# Altium PCB BeagleNode_revA.PcbDoc (part 2 of 2)
Units mil, origin at the board's own origin, x right, y up, seen from the top; angles counter-clockwise.
Board outline 5433.07 x 3425.2 mil, 2 copper layers (Top Layer, Bottom Layer), stack 61.756 mil thick; 246 components, 218 nets, 760 pads, 373 vias.
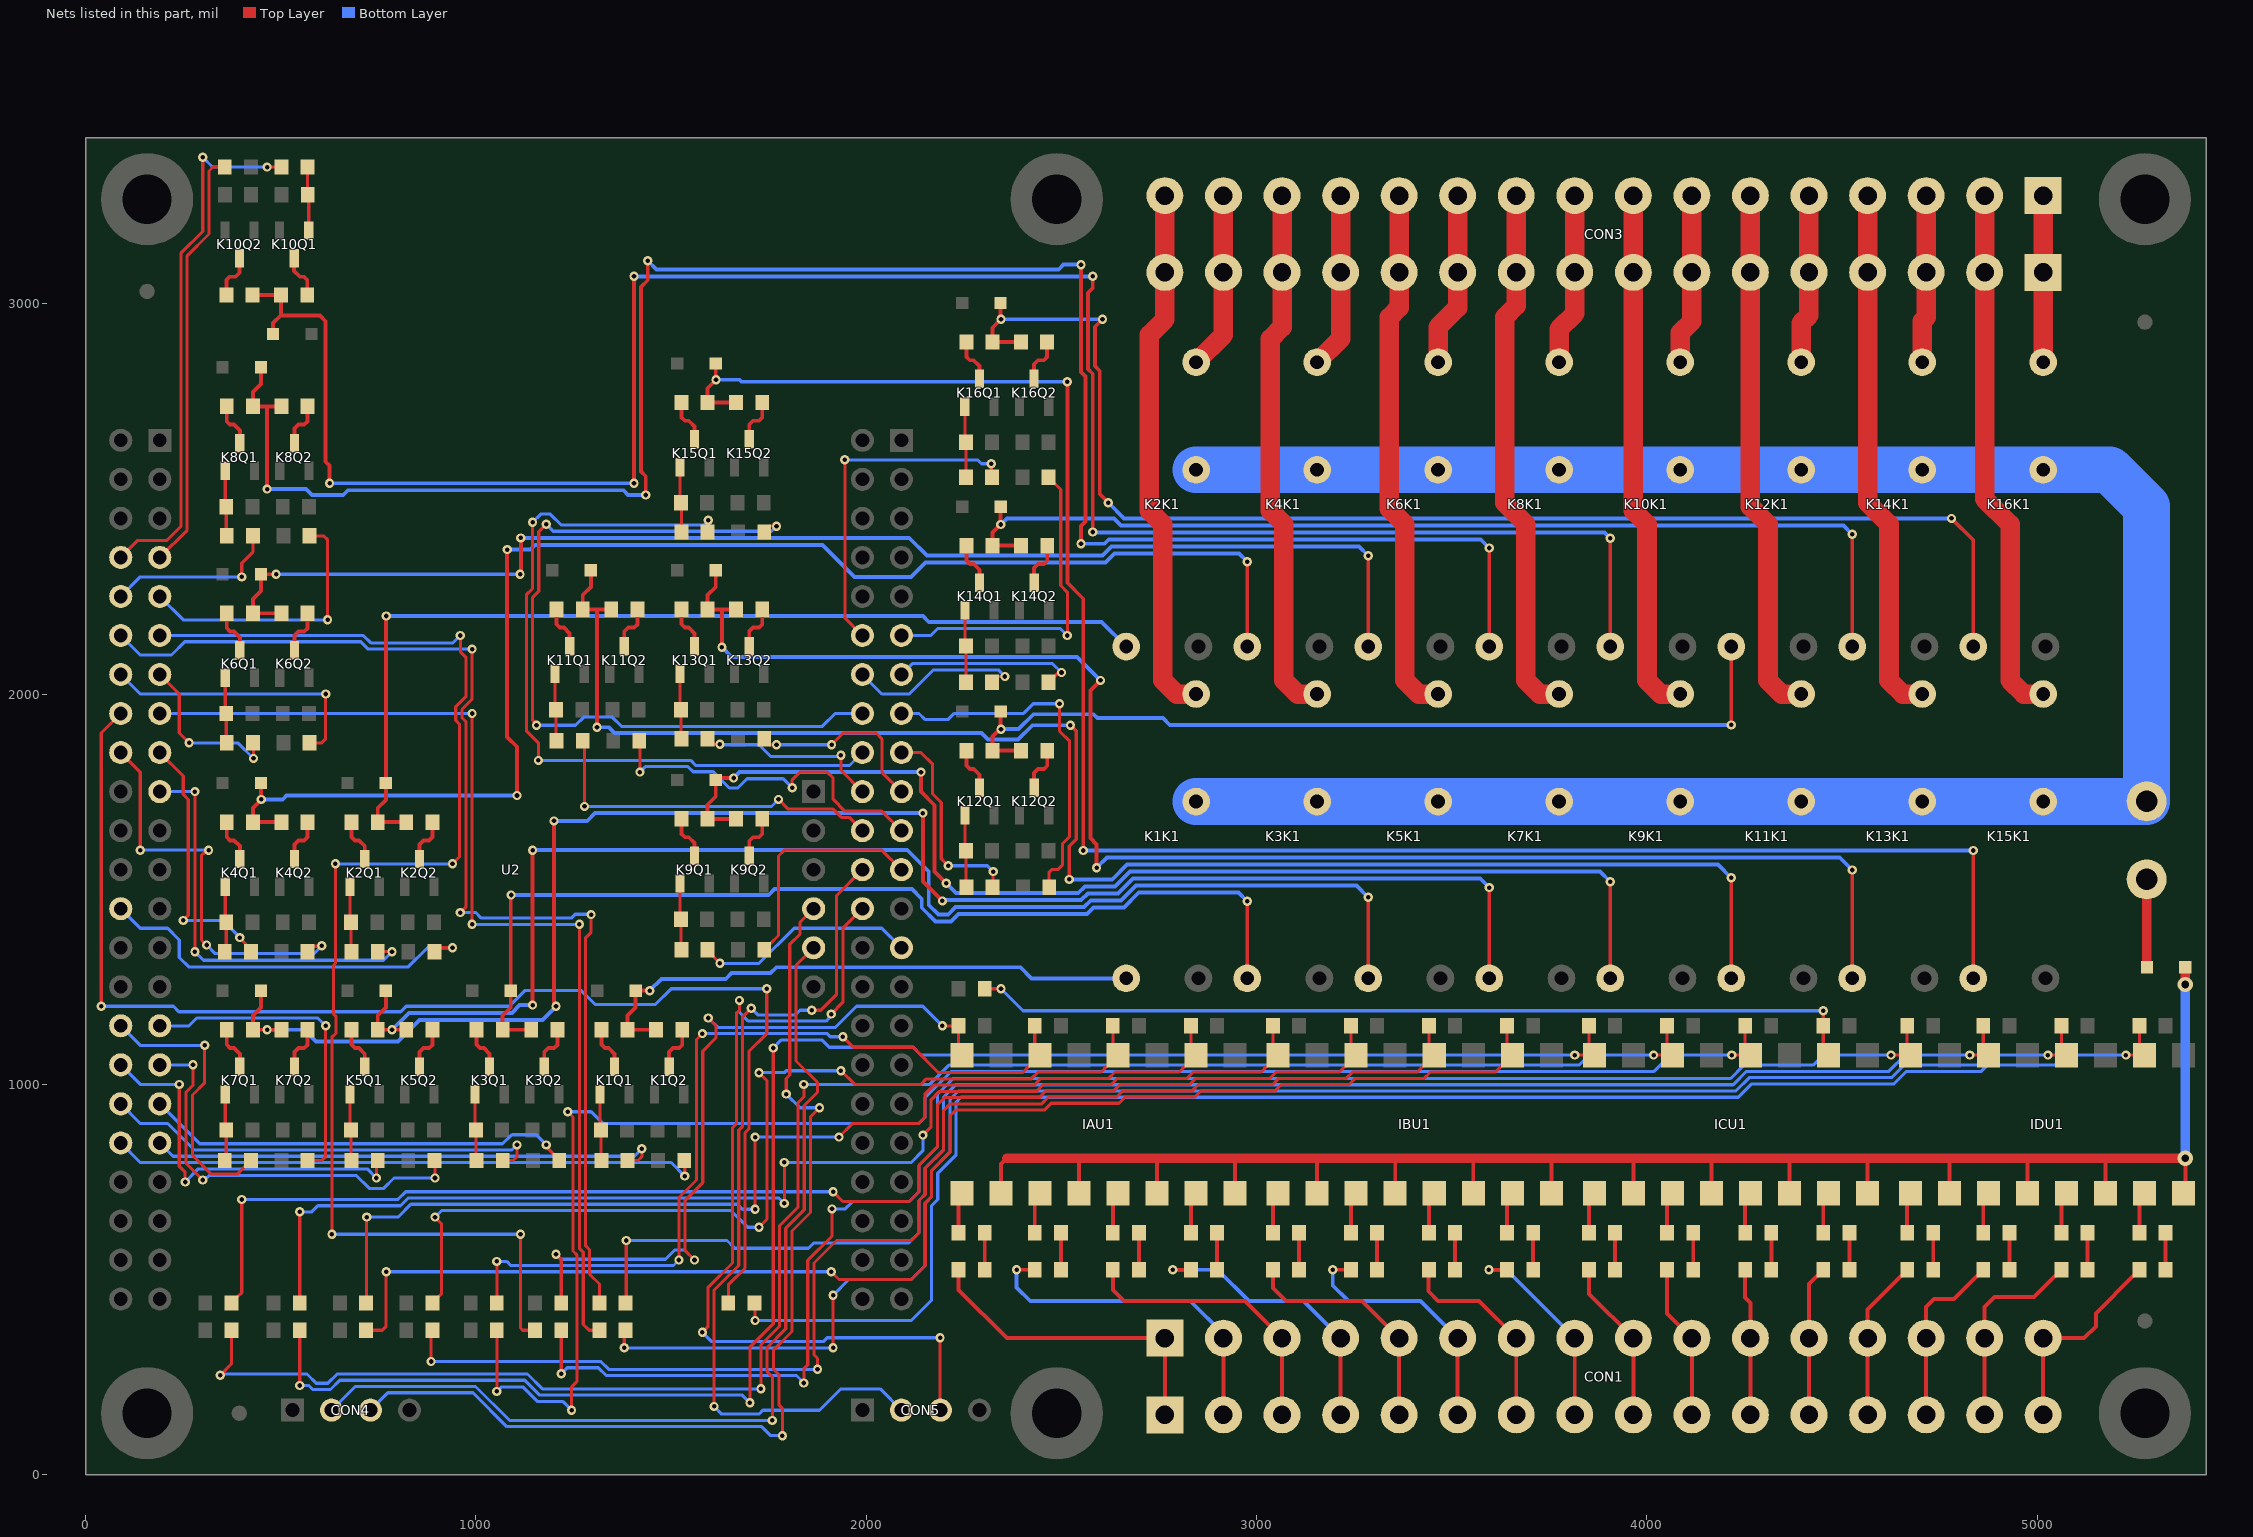
[diagram p2: the nets of this part, all layers, seen from the top]

## Via types
v1: diameter 23.62, hole 11.81, Top Layer to Bottom Layer, tented both sides, 362 vias
v2: diameter 55.12, hole 27.56, Top Layer to Bottom Layer, tented both sides, 9 vias
v3: diameter 39.37, hole 19.68, Top Layer to Bottom Layer, tented both sides, 2 vias

## Nets (pads, with @x,y where several pads share a name; then routed paths per layer and width w, separated by ;. In a path a pad name is that pad's centre, name@x,y a point inside that pad or via, vN(x,y) a via of type N, cw(c..) or ccw(c..) an arc to the next point about the centre after c; other vN are vias at no path point) (continued)
IN13: R25.1 U2.11 | length 3422.9
  Top Layer w8: v1@630,615 v1(631,616) 631,1121 641.69,1131.69 641.69,1173.31 635,1180 635,1305 640,1310 v1(640,1565) ; v1(940,1565) 958,1583 958,1922.87 948.19,1932.68 948.19,1967.32 974,1993.13 974,2094.5 960,2108.5 v1(960,2150) ; v1(1114,616) 1114,376 1120,370 R25.1@1151.54,370
  Bottom Layer w8: U2.11@190,2150 711.63,2150 730.63,2131 941,2131 v1(960,2150) ; v1(631,616) v1(1114,616) v1@1115,615 ; v1(640,1565) v1(940,1565)
IN14: R26.1 U2.12 | length 2998.9
  Top Layer w8: v1(960,1440) 974,1454 974,1929.5 964.19,1939.31 964.19,1960.69 990,1986.5 v1(990,2115) ; v1(1295,1435) 1295,1390 1281,1376 1281,586.63 1291,576.63 1291,514 1316.54,488.46 R26.1@1316.54,440
  Bottom Layer w8: U2.12@90,2150 140,2100 220,2100 254,2134 705,2134 724,2115 v1(990,2115) ; v1(960,1440) 1000,1440 1014,1426 1244.5,1426 1254.31,1435.81 1294.19,1435.81 v1(1295,1435)
IN15: R27.1 U2.15 | length 2691.9
  Top Layer w8: v1(990,1410) v1(990,1950) ; v1(1265,1410) 1265,580 1275,570 1275,385 1290,370 R27.1@1316.54,370
  Bottom Layer w8: U2.15@190,1950 v1(990,1950) ; v1(990,1410) v1(1265,1410)
IN16: R28.1 U2.16 | length 3380.7
  Top Layer w8: v1(40,1200) 40,1900 U2.16@90,1950 ; R28.1@1646.54,440 1646.54,486.54 1689.19,529.19 1689.19,875.69 1699.19,885.69 1699.19,1084.19 1745,1130 v1(1745,1245)
  Bottom Layer w8: v1(40,1200) 225,1200 239,1186 806.96,1186 820.96,1200 1085,1200 1125,1240 1270,1240 1305,1205 1460,1205 1500,1245 v1(1745,1245)
INA1: CON1.1 IAR2.2 | length 828
  Top Layer w10: IAR2.2@2236.54,525 2236.54,473.46 2360,350 CON1.1@2765,350 CON1.1@2765,153.15
INA2: CON1.2 IAR5.2 | length 878.1
  Top Layer w10: v1(2385,525) IAR5.2@2431.54,525 ; CON1.2@2915,153.15 CON1.2@2915,350
  Bottom Layer w10: v1(2385,525) 2385,480 2420,445 2830,445 2915,360 CON1.2@2915,350
INA3: CON1.3 IAR8.2 | length 733
  Top Layer w10: IAR8.2@2631.54,525 2631.54,473.46 2660,445 2970,445 CON1.3@3065,350 CON1.3@3065,153.15
INA4: CON1.4 IAR11.2 | length 745.9
  Top Layer w10: v1(2785,525) IAR11.2@2831.54,525 ; CON1.4@3215,153.15 CON1.4@3215,350
  Bottom Layer w10: v1(2785,525) 2900,525 2980,445 3120,445 CON1.4@3215,350
INB1: CON1.5 IBR2.2 | length 620.1
  Top Layer w10: IBR2.2@3041.54,525 3041.54,478.46 3075,445 3270,445 CON1.5@3365,350 CON1.5@3365,153.15
INB2: CON1.6 IBR5.2 | length 659.3
  Top Layer w10: v1(3195,525) IBR5.2@3241.54,525 ; CON1.6@3515,153.15 CON1.6@3515,350
  Bottom Layer w10: v1(3195,525) 3195,485 3235,445 3420,445 CON1.6@3515,350
INB3: CON1.7 IBR8.2 | length 527.2
  Top Layer w10: IBR8.2@3441.54,525 3440,523.46 3440,470 3465,445 3570,445 CON1.7@3665,350 CON1.7@3665,153.15
INB4: CON1.8 IBR11.2 | length 535.9
  Top Layer w10: v1(3595,525) IBR11.2@3641.54,525 ; CON1.8@3815,153.15 CON1.8@3815,350
  Bottom Layer w10: v1(3595,525) 3640,525 CON1.8@3815,350
INC1: CON1.9 ICR2.2 | length 418.8
  Top Layer w10: ICR2.2@3851.54,525 3851.54,463.46 CON1.9@3965,350 CON1.9@3965,153.15
INC2: CON1.10 ICR5.2 | length 398.1
  Top Layer w10: ICR5.2@4051.54,525 4051.54,413.46 CON1.10@4115,350 CON1.10@4115,153.15
INC3: CON1.11 ICR8.2 | length 377.4
  Top Layer w10: ICR8.2@4251.54,525 4251.54,453.46 4265,440 CON1.11@4265,350 CON1.11@4265,153.15
INC4: CON1.12 ICR11.2 | length 388.1
  Top Layer w10: CON1.12@4415,153.15 CON1.12@4415,350 4415,488.46 4436.85,510.31 4438.82,510.31 4451.54,523.03 ICR11.2@4451.54,525
IND1: CON1.13 IDR2.2 | length 415.1
  Top Layer w10: CON1.13@4565,153.15 CON1.13@4565,350 4565,423.46 4651.85,510.31 4653.82,510.31 4666.54,523.03 IDR2.2@4666.54,525
IND2: CON1.14 IDR5.2 | length 463.9
  Top Layer w10: CON1.14@4715,153.15 CON1.14@4715,350 4715,430 4735,450 4786.54,450 4846.85,510.31 4848.82,510.31 4861.54,523.03 IDR5.2@4861.54,525
IND3: CON1.15 IDR8.2 | length 513.9
  Top Layer w10: CON1.15@4865,153.15 CON1.15@4865,350 4865,430 4890,455 4991.54,455 5046.85,510.31 5048.82,510.31 5061.54,523.03 IDR8.2@5061.54,525
IND4: CON1.16 IDR11.2 | length 536.6
  Top Layer w10: CON1.16@5015,153.15 CON1.16@5015,350 5120,350 5150,380 5150,413.46 5246.85,510.31 5248.82,510.31 5261.54,523.03 IDR11.2@5261.54,525
K1COIL: K1D2.2 K1K1.A1 K1R29.1 K1R30.1 | length 1474.9
  Top Layer w10: v1(1445,1240) K1D2.2@1409.21,1240 1409.21,1197.1 1388.46,1176.35 K1R29.1@1388.46,1140 K1R30.1@1461.54,1140
  Bottom Layer w10: v1(1445,1240) 1475,1270 1640,1270 1655,1285 1755,1285 1770,1300 2395,1300 2423.35,1271.65 K1K1.A1@2665.87,1271.65
K2COIL: K2D2.2 K2K1.A1 K2R29.1 K2R30.1 | length 2538.4
  Top Layer w10: v1(770,2200) 770,1772.71 K2D2.2@769.21,1771.92 769.21,1729.02 748.46,1708.27 K2R29.1@748.46,1671.92 K2R30.1@821.54,1671.92
  Bottom Layer w10: v1(770,2200) 2145,2200 2160,2185 2602.52,2185 K2K1.A1@2665.87,2121.65
K3COIL: K3D2.2 K3K1.A1 K3R29.1 K3R30.1 | length 2605.1
  Top Layer w10: v1(1090,1485) 1089.21,1484.21 K3D2.2@1089.21,1240 1089.21,1197.1 1068.46,1176.35 K3R29.1@1068.46,1140 K3R30.1@1141.54,1140 ; v1@2975,1470 v1(2975.87,1469.13) K3K1.A1@2975.87,1271.65
  Bottom Layer w10: v1(1090,1485) 1750,1485 1765,1500 2117,1500 2142,1475 2142,1452.54 2177.54,1417 2217.46,1417 2236.46,1436 2565.37,1436 2582.37,1453 2659.82,1453 2697.96,1491.13 2953.87,1491.13 v1(2975.87,1469.13)
K4COIL: K4D2.2 K4K1.A1 K4R29.1 K4R30.1 | length 3666.9
  Top Layer w10: K4D2.2@449.21,1771.92 449.21,1729.02 428.46,1708.27 K4R29.1@428.46,1671.92 K4R30.1@501.54,1671.92 ; v1(1080,2370) 1080,1890 1105,1865 v1(1105,1740) ; K4K1.A1@2975.87,2121.65 v1(2975.87,2339.13)
  Bottom Layer w10: v1(450,1730) 505,1730 515,1740 v1(1105,1740) ; v1(1080,2370) 1140,2370 1152,2382 1888,2382 1970,2300 2115,2300 2152,2337 2612.91,2337 2635.91,2360 2955,2360 v1(2975.87,2339.13)
K5COIL: K5D2.2 K5K1.A1 K5R29.1 K5R30.1 | length 3475.6
  Top Layer w10: K5D2.2@769.21,1240 769.21,1197.1 748.46,1176.35 K5R29.1@748.46,1140 v1(785,1140) K5R30.1@821.54,1140 ; v1(1145,1203) v1(1145,1600) ; v1@3285,1480 v1(3285.87,1479.13) K5K1.A1@3285.87,1271.65
  Bottom Layer w10: v1(785,1140) 828,1183 1092.04,1183 1112.04,1203 v1(1145,1203) ; v1(1145,1600) 2105,1600 2160,1545 2160,1460 2185,1435 2210,1435 2229,1454 2557.91,1454 2574.91,1471 2652.37,1471 2690.5,1509.13 3255.87,1509.13 v1(3285.87,1479.13)
K6COIL: K6D2.2 K6K1.A1 K6R29.1 K6R30.1 | length 3380.8
  Top Layer w10: v1(488.08,2306.92) K6D2.2@449.21,2306.92 449.21,2264.02 428.46,2243.27 K6R29.1@428.46,2206.92 K6R30.1@501.54,2206.92 ; v1(1113.08,2306.92) 1115,2308.84 v1(1115,2400) ; K6K1.A1@3285.87,2121.65 v1(3285.87,2354.13)
  Bottom Layer w10: v1(488.08,2306.92) v1(1113.08,2306.92) ; v1(1115,2400) 2110,2400 2155,2355 2605.46,2355 2628.46,2378 3262,2378 v1(3285.87,2354.13)
K7COIL: K7D2.2 K7K1.A1 K7R29.1 K7R30.1 | length 4315.2
  Top Layer w10: K7D2.2@449.21,1240 449.21,1197.1 428.46,1176.35 K7R29.1@428.46,1140 v1(465,1140) K7R30.1@501.54,1140 ; v1(1200,1675) 1200,1212.67 1202.39,1210.28 1202.39,1202.61 v1(1205,1200) ; v1(2145,1695) 2145,1520 v1(2195,1470) ; v1@3595,1505 v1(3595.87,1504.13) K7K1.A1@3595.87,1271.65
  Bottom Layer w10: v1(465,1140) 560,1140 590,1110 800,1110 855,1165 1170,1165 v1(1205,1200) ; v1(1200,1675) 1285,1675 1305,1695 v1(2145,1695) ; v1(2195,1470) 2197,1472 2550.46,1472 2567.46,1489 2644.91,1489 2683.05,1527.13 3572.87,1527.13 v1(3595.87,1504.13)
K8COIL: K8D2.2 K8K1.A1 K8R29.1 K8R30.1 | length 5152.7
  Top Layer w10: K8D2.2@449.21,2836.92 449.21,2794.02 428.46,2773.27 K8R29.1@428.46,2736.92 465,2736.92 ; v1(465,2525) 465,2736.92 ; K8R30.1@501.54,2736.92 465,2736.92 ; v1(1435,2510) 1435,2558 1423,2570 1423,3043 1440,3060 v1(1440,3110) ; v1(2550,2385) 2550,2430 2562,2442 2562,2813 2550,2825 v1(2550,3100) ; K8K1.A1@3595.87,2121.65 v1(3595.87,2374.13)
  Bottom Layer w10: v1(465,2525) 565,2525 580,2510 660,2510 672,2522 1378,2522 1390,2510 v1(1435,2510) ; v1(1440,3110) 1462,3088 2493,3088 2505,3100 v1(2550,3100) ; v1(2550,2385) 2610,2385 2621,2396 3574,2396 v1(3595.87,2374.13)
K9COIL: K9D2.2 K9K1.A1 K9R29.1 K9R30.1 | length 3020
  Top Layer w10: v1(1660,1785) 1619.21,1785 K9D2.2@1614.21,1780 1614.21,1737.1 1593.46,1716.35 K9R29.1@1593.46,1680 K9R30.1@1666.54,1680 ; v1(2140,1800) 2140,1750 2175,1715 2175,1545 v1(2205,1515) ; K9K1.A1@3905.87,1271.65 v1(3905.87,1519.13)
  Bottom Layer w10: v1(1660,1785) 1675,1800 v1(2140,1800) ; v1(2205,1515) 2230,1490 2543,1490 2560,1507 2637.46,1507 2675.59,1545.13 3879.87,1545.13 v1(3905.87,1519.13)
K10COIL: K10D2.2 K10K1.A1 K10R29.1 K10R30.1 | length 5481.9
  Top Layer w10: K10R30.1@427.68,3022.1 K10R29.1@500.75,3022.1 500.75,2970.75 500,2970 ; K10D2.2@480,2922.1 480,2950 500,2970 ; v1(625,2540) 625,2585 615,2595 615,2955 600,2970 500,2970 ; v1(1405,2540) v1(1405,3070) ; v1(2580,2415) 2580,2820.46 2568,2832.46 2568,3028 2580,3040 v1(2580,3070) ; K10K1.A1@3905.87,2121.65 v1(3905.87,2399.13)
  Bottom Layer w10: v1(625,2540) v1(1405,2540) ; v1(1405,3070) v1(2580,3070) ; v1(2580,2415) 2581,2414 3891,2414 v1(3905.87,2399.13)
K11COIL: K11D2.2 K11K1.A1 K11R29.1 K11R30.1 | length 4116.7
  Top Layer w10: K11D2.2@1294.21,2316.92 1294.21,2274.02 1273.46,2253.27 K11R29.1@1273.46,2216.92 1310,2216.92 ; v1(1310,1915) 1310,2005 1310,2216.92 ; K11R30.1@1346.54,2216.92 1310,2216.92 ; v1(2520,1525) 2520,1610 2537.87,1627.87 2537.87,1905 v1(2522.87,1920) ; K11K1.A1@4215.87,1271.65 v1(4215.87,1529.13)
  Bottom Layer w10: v1(1310,1915) 1340,1915 1355,1900 2295,1900 2311.81,1883.19 2388.64,1883.19 2425.46,1920 v1(2522.87,1920) ; v1(2520,1525) 2630,1525 2668.13,1563.13 4181.87,1563.13 v1(4215.87,1529.13)
K12COIL: K12D2.2 K12K1.A1 K12R29.1 K12R30.1 | length 2280.5
  Top Layer w10: K12D2.2@2344.21,1955 2344.21,1912.1 2323.46,1891.35 K12R29.1@2323.46,1855 K12R30.1@2396.54,1855 ; v1(4215.87,1920.87) K12K1.A1@4215.87,2121.65
  Bottom Layer w10: v1(2345,1910) 2390,1910 2428.19,1948.19 2581.81,1948.19 2591.81,1938.19 2760,1938.19 2777.32,1920.87 v1(4215.87,1920.87)
K13COIL: K13D2.2 K13K1.A1 K13R29.1 K13R30.1 | length 4018.7
  Top Layer w10: K13D2.2@1614.21,2316.92 1614.21,2274.02 1593.46,2253.27 K13R29.1@1593.46,2216.92 1630,2216.92 ; v1(1630,2120) 1630,2216.92 ; K13R30.1@1666.54,2216.92 1630,2216.92 ; v1(2590,1555) 2590,1615 2573.87,1631.13 2573.87,2008.87 v1(2600,2035) ; K13K1.A1@4525.87,1271.65 v1(4525.87,1549.13)
  Bottom Layer w10: v1(1630,2120) 1655,2095 2540,2095 v1(2600,2035) ; v1(2590,1555) 2616.13,1581.13 4493.87,1581.13 v1(4525.87,1549.13)
K14COIL: K14D2.2 K14K1.A1 K14R29.1 K14R30.1 | length 2674.3
  Top Layer w10: K14D2.2@2344.21,2480 v1(2344.21,2434.21) 2323.46,2413.46 K14R29.1@2323.46,2380 K14R30.1@2396.54,2380 ; K14K1.A1@4525.87,2121.65 v1(4525.87,2409.13)
  Bottom Layer w10: v1(2344.21,2434.21) 2360,2450 2634.54,2450 2652.54,2432 4503,2432 v1(4525.87,2409.13)
K15COIL: K15D2.2 K15K1.A1 K15R29.1 K15R30.1 | length 4909
  Top Layer w10: K15D2.2@1614.21,2846.92 1614.21,2804.02 1593.46,2783.27 K15R29.1@1593.46,2746.92 K15R30.1@1666.54,2746.92 ; v1(2515,2800) 2515,2285 2555.87,2244.13 v1(2555.87,1599.13) ; K15K1.A1@4835.87,1271.65 v1(4835.87,1599.13)
  Bottom Layer w10: v1(1615,2805) 1675,2805 1680,2800 v1(2515,2800) ; v1(2555.87,1599.13) v1(4835.87,1599.13)
K16COIL: K16D2.2 K16K1.A1 K16R29.1 K16R30.1 | length 3461.7
  Top Layer w10: K16D2.2@2344.02,3001.92 2344.02,2959.02 2323.27,2938.27 K16R29.1@2323.27,2901.92 K16R30.1@2396.34,2901.92 ; v1(2605,2960) 2586,2941 2586,2839.91 2598,2827.91 2598,2512 v1(2620,2490) ; v1(4780,2450) 4835.87,2394.13 K16K1.A1@4835.87,2121.65
  Bottom Layer w10: v1(2345,2960) v1(2605,2960) ; v1(2620,2490) 2660,2450 v1(4780,2450)
L: CON2.2 K1K1.11 K2K1.11 K3K1.11 K4K1.11 K5K1.11 K6K1.11 K7K1.11 K8K1.11 K9K1.11 K10K1.11 K11K1.11 K12K1.11 K13K1.11 K14K1.11 K15K1.11 K16K1.11 | length 5664.4
  Bottom Layer w120: K1K1.11@2845,1724.41 2845.59,1725 CON2.2@5280,1725 5280,2480 5185.59,2574.41 K16K1.11@5015,2574.41 K14K1.11@4705,2574.41 K12K1.11@4395,2574.41 K10K1.11@4085,2574.41 K8K1.11@3775,2574.41 K6K1.11@3465,2574.41 K4K1.11@3155,2574.41 K2K1.11@2845,2574.41
LOUT1: CON3.16 K1K1.14 | length 1372.3
  Top Layer w50: CON3.16@2765,3276.85 CON3.16@2765,3080 2765,2960 2725,2920 2725,2470 2760,2435 2760,2035.15 2795.15,2000 K1K1.14@2845,2000
LOUT2: CON3.15 K2K1.14 | length 455.8
  Top Layer w50: K2K1.14@2845,2850 2915,2920 CON3.15@2915,3080 CON3.15@2915,3276.85
LOUT3: CON3.14 K3K1.14 | length 1368.2
  Top Layer w50: CON3.14@3065,3276.85 CON3.14@3065,3080 3065,2940 3035,2910 3035,2470 3070,2435 3070,2035.15 3105.15,2000 K3K1.14@3155,2000
LOUT4: CON3.13 K4K1.14 | length 451.7
  Top Layer w50: K4K1.14@3155,2850 3215,2910 CON3.13@3215,3080 CON3.13@3215,3276.85
LOUT5: CON3.12 K5K1.14 | length 1368.2
  Top Layer w50: CON3.12@3365,3276.85 CON3.12@3365,3080 3365,2990 3340,2965 3340,2475 3380,2435 3380,2035.15 3415.15,2000 K5K1.14@3465,2000
LOUT6: CON3.11 K6K1.14 | length 447.6
  Top Layer w50: K6K1.14@3465,2850 3465,2940 3515,2990 CON3.11@3515,3276.85
LOUT7: CON3.10 K7K1.14 | length 1376.5
  Top Layer w50: CON3.10@3665,3276.85 CON3.10@3665,3080 3665,2995 3635,2965 3635,2490 3690,2435 3690,2035.15 3725.15,2000 K7K1.14@3775,2000
LOUT8: CON3.9 K8K1.14 | length 443.4
  Top Layer w50: K8K1.14@3775,2850 3775,2935 3815,2975 CON3.9@3815,3080 CON3.9@3815,3276.85
LOUT9: CON3.8 K9K1.14 | length 1355.8
  Top Layer w50: CON3.8@3965,3276.85 CON3.8@3965,3080 3965,2470 4000,2435 4000,2035.15 4035.15,2000 K9K1.14@4085,2000
LOUT10: CON3.7 K10K1.14 | length 439.3
  Top Layer w50: K10K1.14@4085,2850 4085,2925 4115,2955 CON3.7@4115,3080 CON3.7@4115,3276.85
LOUT11: CON3.6 K11K1.14 | length 1359.9
  Top Layer w50: CON3.6@4265,3276.85 CON3.6@4265,3080 4265,2480 4310,2435 4310,2035.15 4345.15,2000 K11K1.14@4395,2000
LOUT12: CON3.5 K12K1.14 | length 435.1
  Top Layer w50: K12K1.14@4395,2850 4395,2950 4415,2970 CON3.5@4415,3276.85
LOUT13: CON3.4 K13K1.14 | length 1364
  Top Layer w50: CON3.4@4565,3276.85 CON3.4@4565,3080 4565,2490 4620,2435 4620,2035.15 4655.15,2000 K13K1.14@4705,2000
LOUT14: CON3.3 K14K1.14 | length 431
  Top Layer w50: K14K1.14@4705,2850 4705,2955 4715,2965 CON3.3@4715,3080 CON3.3@4715,3276.85
LOUT15: CON3.2 K15K1.14 | length 1371.1
  Top Layer w50: CON3.2@4865,3276.85 CON3.2@4865,3080 4865,2500 4930,2435 4930,2035.15 4965.15,2000 K15K1.14@5015,2000
  Top Layer w60: K15K1.14@5012.92,2002.08 K15K1.14@5015,2000
LOUT16: CON3.1 K16K1.14 | length 426.9
  Top Layer w50: K16K1.14@5015,2850 CON3.1@5015,3080 CON3.1@5015,3276.85
N: D1.2 IAU1.2 IAU1.4 IAU1.6 IAU1.8 IBU1.2 IBU1.4 IBU1.6 IBU1.8 ICU1.2 ICU1.4 ICU1.6 ICU1.8 IDU1.2 IDU1.4 IDU1.6 IDU1.8 | length 4960.6
  Top Layer w10: IAU1.2@2345,720.67 2345,796.14 2359.64,810.79 ; IAU1.4@2545,720.67 2545,805.79 2550,810.79 ; IAU1.6@2745,720.67 2745,810.79 ; IAU1.8@2945,720.67 2945,810.79 ; IBU1.2@3155,720.67 3155,810.79 ; IBU1.4@3355,720.67 3355,810.79 ; IBU1.6@3555,720.67 3555,810.79 ; IBU1.8@3755,720.67 3755,810.79 ; ICU1.2@3965,720.67 3965,810.79 ; ICU1.4@4165,720.67 4165,810.79 ; ICU1.6@4365,720.67 4365,810.79 ; ICU1.8@4565,720.67 4565,810.79 ; IDU1.2@4775,720.67 4775,810.79 ; IDU1.4@4975,720.67 4975,810.79 ; IDU1.6@5175,720.67 5175,810.79 ; IDU1.8@5375,720.67 5379.21,724.88 v3(5379.21,810.79)
  Top Layer w25: 2359.64,810.79 2550,810.79 2745,810.79 2945,810.79 3155,810.79 3355,810.79 3555,810.79 3755,810.79 3965,810.79 4165,810.79 4365,810.79 4565,810.79 4775,810.79 4975,810.79 5175,810.79 v3(5379.21,810.79) ; v3(5379.21,1255.79) D1.2@5379.21,1300
  Bottom Layer w25: v3(5379.21,810.79) v3(5379.21,1255.79)
NetCON2_1: CON2.1 D1.1 | length 225.3
  Top Layer w25: CON2.1@5280,1525 5280,1300.79 D1.1@5280.79,1300
NetIAR2_1: IAR2.1 IAR3.2 | length 95
  Top Layer w10: IAR2.1@2303.46,525 IAR3.2@2303.46,620
NetIAR3_1: IAR3.1 IAU1.1 | length 104.2
  Top Layer w10: IAR3.1@2236.54,620 2236.54,712.2 IAU1.1@2245,720.67
NetIAR5_1: IAR5.1 IAR6.2 | length 95
  Top Layer w10: IAR5.1@2498.46,525 IAR6.2@2498.46,620
NetIAR6_1: IAR6.1 IAU1.3 | length 92.2
  Top Layer w10: IAR6.1@2431.54,620 IAU1.3@2431.54,712.2
NetIAR8_1: IAR8.1 IAR9.2 | length 95
  Top Layer w10: IAR8.1@2698.46,525 IAR9.2@2698.46,620
NetIAR9_1: IAR9.1 IAU1.5 | length 92.2
  Top Layer w10: IAR9.1@2631.54,620 IAU1.5@2631.54,712.2
NetIAR11_1: IAR11.1 IAR12.2 | length 95
  Top Layer w10: IAR11.1@2898.46,525 IAR12.2@2898.46,620
NetIAR12_1: IAR12.1 IAU1.7 | length 92.2
  Top Layer w10: IAR12.1@2831.54,620 IAU1.7@2831.54,712.2
NetIBR2_1: IBR2.1 IBR3.2 | length 95
  Top Layer w10: IBR2.1@3108.46,525 IBR3.2@3108.46,620
NetIBR3_1: IBR3.1 IBU1.1 | length 92.2
  Top Layer w10: IBR3.1@3041.54,620 IBU1.1@3041.54,712.2
NetIBR5_1: IBR5.1 IBR6.2 | length 95
  Top Layer w10: IBR5.1@3308.46,525 IBR6.2@3308.46,620
NetIBR6_1: IBR6.1 IBU1.3 | length 92.2
  Top Layer w10: IBR6.1@3241.54,620 IBU1.3@3241.54,712.2
NetIBR8_1: IBR8.1 IBR9.2 | length 95
  Top Layer w10: IBR8.1@3508.46,525 IBR9.2@3508.46,620
NetIBR9_1: IBR9.1 IBU1.5 | length 92.2
  Top Layer w10: IBR9.1@3441.54,620 IBU1.5@3441.54,712.2
NetIBR11_1: IBR11.1 IBR12.2 | length 95
  Top Layer w10: IBR11.1@3708.46,525 IBR12.2@3708.46,620
NetIBR12_1: IBR12.1 IBU1.7 | length 92.2
  Top Layer w10: IBR12.1@3641.54,620 IBU1.7@3641.54,712.2
NetICR2_1: ICR2.1 ICR3.2 | length 95
  Top Layer w10: ICR2.1@3918.46,525 ICR3.2@3918.46,620
NetICR3_1: ICR3.1 ICU1.1 | length 92.2
  Top Layer w10: ICR3.1@3851.54,620 ICU1.1@3851.54,712.2
NetICR5_1: ICR5.1 ICR6.2 | length 95
  Top Layer w10: ICR5.1@4118.46,525 ICR6.2@4118.46,620
NetICR6_1: ICR6.1 ICU1.3 | length 92.2
  Top Layer w10: ICR6.1@4051.54,620 ICU1.3@4051.54,712.2
NetICR8_1: ICR8.1 ICR9.2 | length 95
  Top Layer w10: ICR8.1@4318.46,525 ICR9.2@4318.46,620
NetICR9_1: ICR9.1 ICU1.5 | length 92.2
  Top Layer w10: ICR9.1@4251.54,620 ICU1.5@4251.54,712.2
NetICR11_1: ICR11.1 ICR12.2 | length 95
  Top Layer w10: ICR11.1@4518.46,525 ICR12.2@4518.46,620
NetICR12_1: ICR12.1 ICU1.7 | length 92.2
  Top Layer w10: ICR12.1@4451.54,620 ICU1.7@4451.54,712.2
NetIDR2_1: IDR2.1 IDR3.2 | length 95
  Top Layer w10: IDR2.1@4733.46,525 IDR3.2@4733.46,620
NetIDR3_1: IDR3.1 IDU1.1 | length 92.2
  Top Layer w10: IDR3.1@4666.54,620 IDU1.1@4666.54,712.2
NetIDR5_1: IDR5.1 IDR6.2 | length 95
  Top Layer w10: IDR5.1@4928.46,525 IDR6.2@4928.46,620
NetIDR6_1: IDR6.1 IDU1.3 | length 92.2
  Top Layer w10: IDR6.1@4861.54,620 IDU1.3@4861.54,712.2
NetIDR8_1: IDR8.1 IDR9.2 | length 95
  Top Layer w10: IDR8.1@5128.46,525 IDR9.2@5128.46,620
NetIDR9_1: IDR9.1 IDU1.5 | length 92.2
  Top Layer w10: IDR9.1@5061.54,620 IDU1.5@5061.54,712.2
NetIDR11_1: IDR11.1 IDR12.2 | length 95
  Top Layer w10: IDR11.1@5328.46,525 IDR12.2@5328.46,620